# Altium PCB top_LM_v3.PcbDoc (part 2 of 6) (continued)
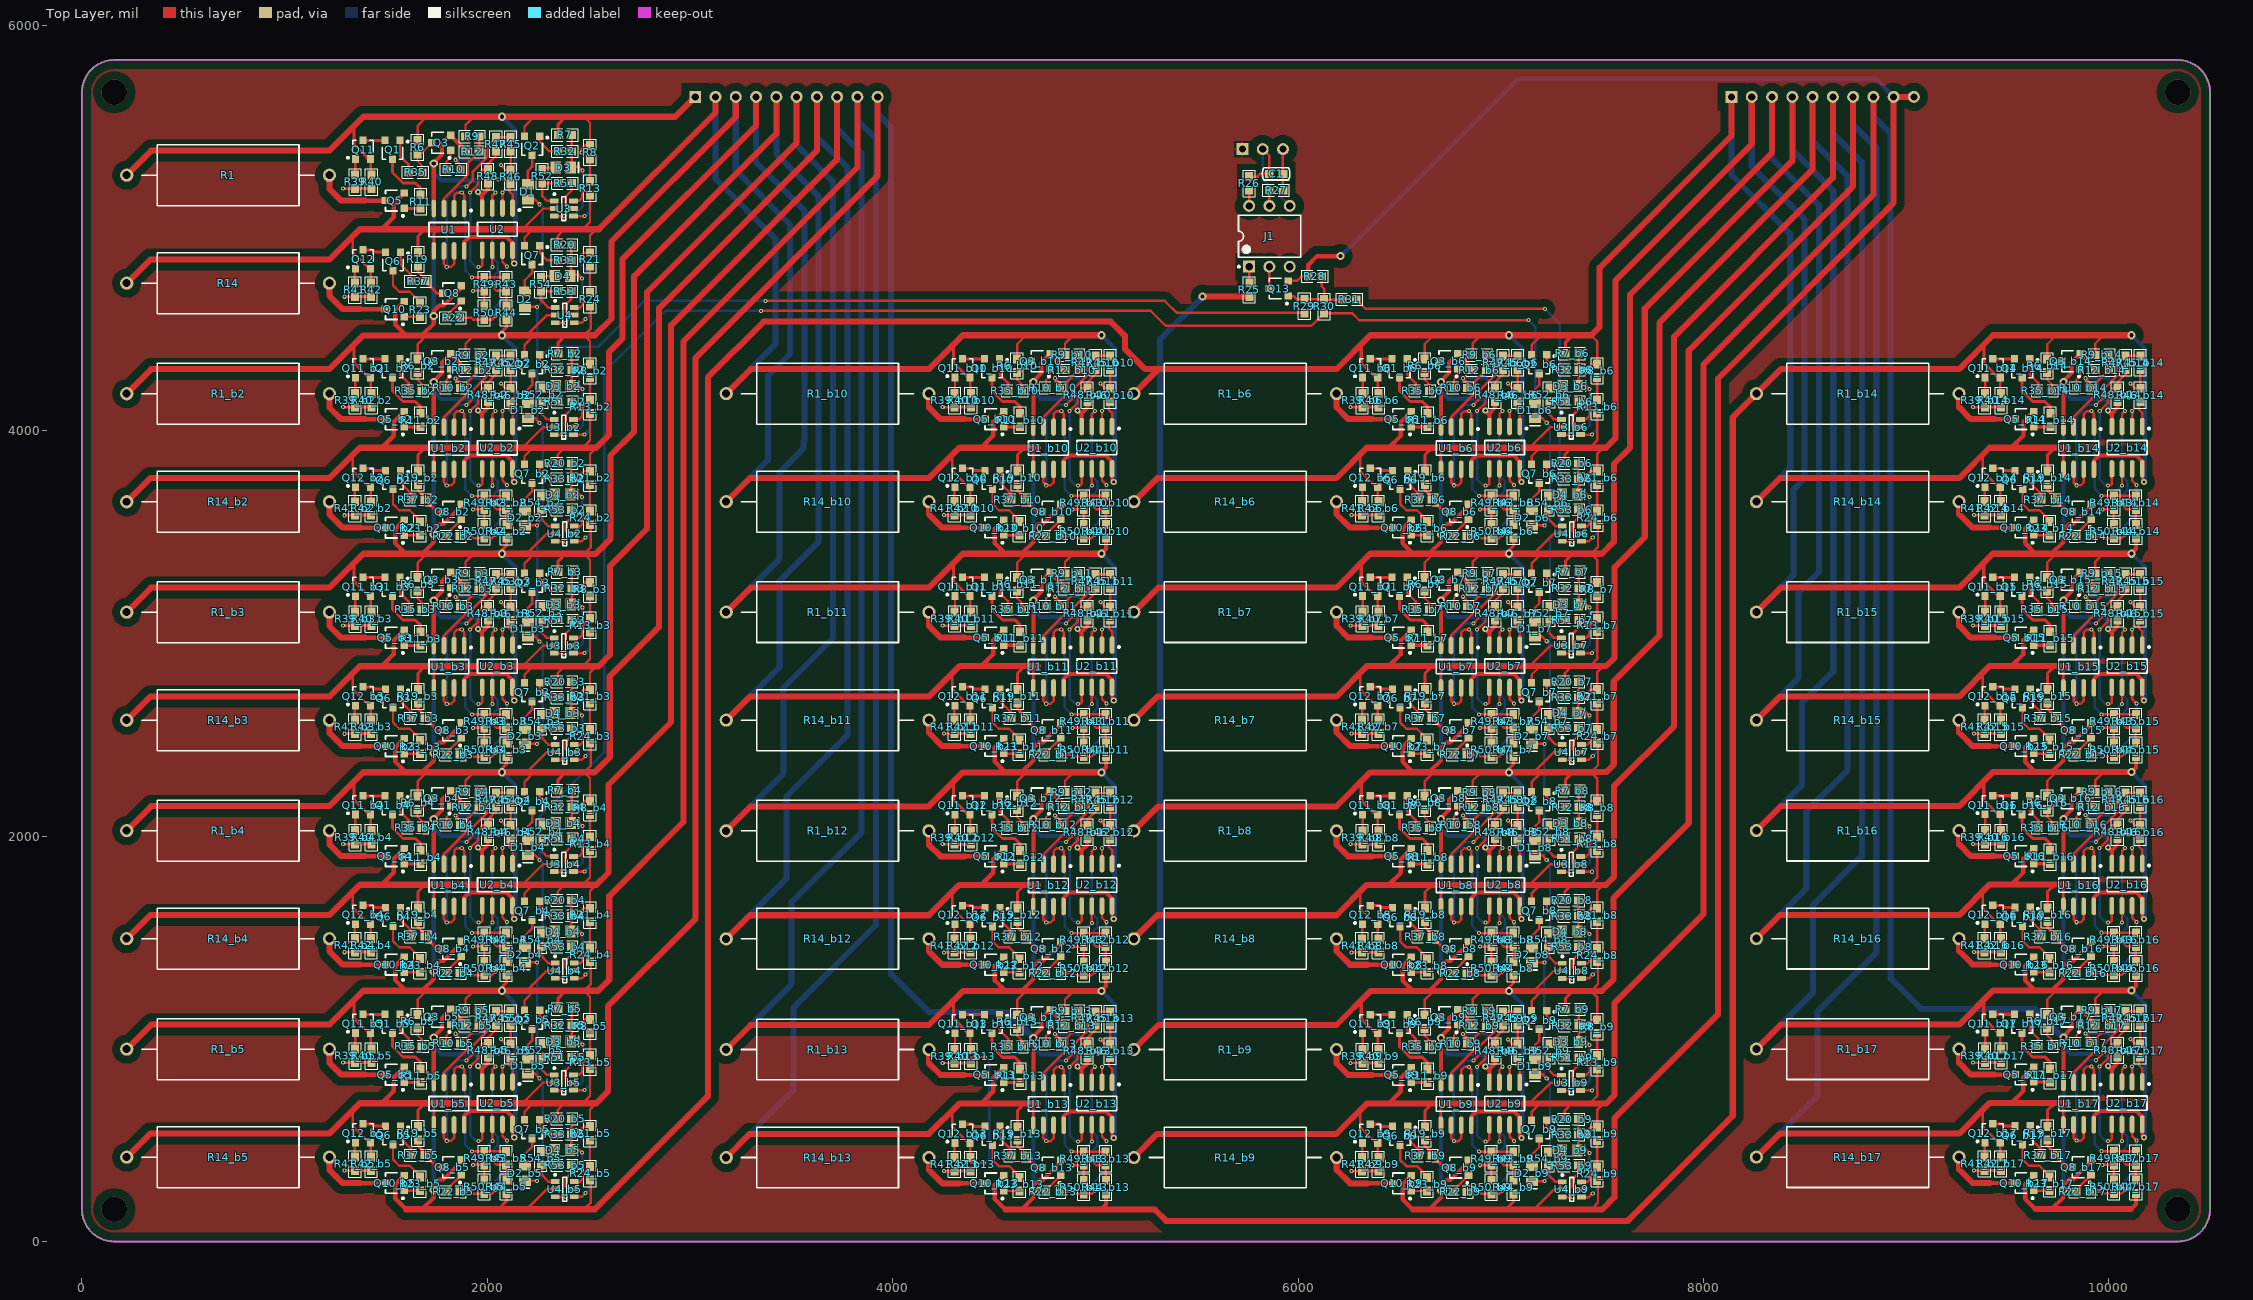
[diagram p0: Top Layer view]
## Footprints (in the part's own frame and the unit in brackets; to place one, negate y for a bottom-side part, rotate by r counter-clockwise, add the part's x,y. Pads: shape width x height; smd on the part's side, far side on the other; paste and mask are expansions set on the pad)
0603-1 [mm] "0603带丝印"
  rect 1.1x1 smd: 1(-0.85,0) 2(0.85,0)
  silkscreen extent -1.65,-0.76 1.65,0.76, body extent -0.8,-0.4 0.8,0.4, height 0.3
AXIAL-1.0 [mm] "Adjustable Magnetic-Core Inductor; 2 Leads"
  round 1.65 hole 1: 1(-12.7,0) 2(12.7,0)
  silkscreen extent -10.79,-3.81 10.79,3.81
C-0603 [mm] "贴片电容"
  rect 1.1x1 smd: 1(-0.85,0) 2(0.85,0)
  silkscreen extent -1.73,-0.76 1.73,0.76, body extent -0.8,-0.4 0.8,0.4, height 0.3
DIP-6 [mm]
  rect 1.5x1.5 hole 0.9: 1(-3.81,2.54)
  round 1.5 hole 0.9: 2(-3.81,0) 3(-3.81,-2.54) 4(3.81,-2.54) 5(3.81,0) 6(3.81,2.54)
  silkscreen extent -3.93,-3.94 2.65,3.96, body extent -3.6,-3.94 3.6,3.88, height 5.08
HDR3X1-2.54 [mm] "2.54单排针排座"
  rect 1.5x1.5 hole 0.9: 1(0,0)
  round 1.5 hole 0.9: 2(2.54,0) 3(5.08,0)
  silkscreen extent -1.27,-1.27 6.35,1.27, body extent -1.27,-1.27 6.35,1.27, height 8.54
HDR10X1-2.54 [mm]
  rect 1.5x1.5 hole 0.9: 1(-12.7,0)
  round 1.5 hole 0.9: 2(-10.16,0) 3(-7.62,0) 4(-5.08,0) 5(-2.54,0) 6(0,0) 7(2.54,0) 8(5.08,0) 9(7.62,0) 10(10.16,0)
  silkscreen extent -13.97,-1.27 11.43,1.27
LED-0805 [mm] "贴片LED"
  rect 1.3x1.5 smd: 1(-0.95,0) 2(0.95,0)
  silkscreen extent 1.91,-0.63 1.91,0.64
SOIC-8 [mm]
  oval 2.2x0.6 smd: 1(-2.654,1.905) 2(-2.654,0.635) 3(-2.654,-0.635) 4(-2.654,-1.905) 5(2.654,-1.905) 6(2.654,-0.635) 7(2.654,0.635) 8(2.654,1.905)
  silkscreen extent -2.52,-2.5 0.9,2.88, body extent -3,-2.45 3,2.45, height 1.7
SOT23-3 [mm]
  rect 0.9x0.95 smd: 1(-0.95,-1.175) 2(0.95,-1.175) 3(0,1.175)
  silkscreen extent -2.03,-1.14 1.3,1.18, body extent -1.45,-1.4 1.45,1.4, height 1.2
SOT23-6 [mm] "Max4173"
  rect 1.1x0.6 smd: 1(-1.2,0.95) 2(-1.2,0) 3(-1.2,-0.95) 4(1.2,-0.95) 5(1.2,0) 6(1.2,0.95)
  silkscreen extent -1.32,-1.5 0.25,1.92, body extent -1.19,-1.4 1.23,1.4, height 1.08

## Part data
C1: "贴片瓷片电容"
D1 D1_b2 D1_b3 D1_b4 D1_b5 D1_b6 D1_b7 D1_b8 D1_b9 D2 D2_b2 D2_b3 D2_b4 D2_b5 D2_b6 D2_b7 D2_b8 D2_b9 D3 D3_b2 D3_b3 D3_b4 D3_b5 D3_b6 D3_b7 D3_b8 D3_b9 D4 D4_b2 D4_b3 D4_b4 D4_b5 D4_b6 D4_b7 D4_b8 D4_b9: library part Diode-R, "整流二极管"
J1: "光电耦合器"
P1 P2 P5: "接插件"
Q1 Q1_b2 Q1_b3 Q1_b4 Q1_b5 Q1_b6 Q1_b7 Q1_b8 Q1_b9 Q1_b10 Q1_b11 Q1_b12 Q1_b13 Q1_b14 Q1_b15 Q1_b16 Q1_b17 Q2 Q2_b2 Q2_b3 Q2_b4 Q2_b5 Q2_b6 Q2_b7 Q2_b8 Q2_b9 Q6 Q6_b2 Q6_b3 Q6_b4 Q6_b5 Q6_b6 Q6_b7 Q6_b8 Q6_b9 Q6_b10 Q6_b11 Q6_b12 Q6_b13 Q6_b14 Q6_b15 Q6_b16 Q6_b17 Q7 Q7_b2 Q7_b3 Q7_b4 Q7_b5 Q7_b6 Q7_b7 Q7_b8 Q7_b9 Q11 Q11_b2 Q11_b3 Q11_b4 Q11_b5 Q11_b6 Q11_b7 Q11_b8 Q11_b9 Q11_b10 Q11_b11 Q11_b12 Q11_b13 Q11_b14 Q11_b15 Q11_b16 Q11_b17 Q12 Q12_b2 Q12_b3 Q12_b4 Q12_b5 Q12_b6 Q12_b7 Q12_b8 Q12_b9 Q12_b10 Q12_b11 Q12_b12 Q12_b13 Q12_b14 Q12_b15 Q12_b16 Q12_b17: library part PNP1, "贴片三极管"
Q3 Q3_b2 Q3_b3 Q3_b4 Q3_b5 Q3_b6 Q3_b7 Q3_b8 Q3_b9 Q3_b10 Q3_b11 Q3_b12 Q3_b13 Q3_b14 Q3_b15 Q3_b16 Q3_b17 Q8 Q8_b2 Q8_b3 Q8_b4 Q8_b5 Q8_b6 Q8_b7 Q8_b8 Q8_b9 Q8_b10 Q8_b11 Q8_b12 Q8_b13 Q8_b14 Q8_b15 Q8_b16 Q8_b17 Q13: library part NPN1, "贴片三极管"
Q5 Q5_b2 Q5_b3 Q5_b4 Q5_b5 Q5_b6 Q5_b7 Q5_b8 Q5_b9 Q5_b10 Q5_b11 Q5_b12 Q5_b13 Q5_b14 Q5_b15 Q5_b16 Q5_b17 Q10 Q10_b2 Q10_b3 Q10_b4 Q10_b5 Q10_b6 Q10_b7 Q10_b8 Q10_b9 Q10_b10 Q10_b11 Q10_b12 Q10_b13 Q10_b14 Q10_b15 Q10_b16 Q10_b17: library part MOSFET-N1, "MOSFET"
R1 R1_b2 R1_b3 R1_b4 R1_b5 R1_b6 R1_b7 R1_b8 R1_b9 R1_b10 R1_b11 R1_b12 R1_b13 R1_b14 R1_b15 R1_b16 R1_b17 R6 R6_b2 R6_b3 R6_b4 R6_b5 R6_b6 R6_b7 R6_b8 R6_b9 R6_b10 R6_b11 R6_b12 R6_b13 R6_b14 R6_b15 R6_b16 R6_b17 R7 R7_b2 R7_b3 R7_b4 R7_b5 R7_b6 R7_b7 R7_b8 R7_b9 R8 R8_b2 R8_b3 R8_b4 R8_b5 R8_b6 R8_b7 R8_b8 R8_b9 R9 R9_b2 R9_b3 R9_b4 R9_b5 R9_b6 R9_b7 R9_b8 R9_b9 R9_b10 R9_b11 R9_b12 R9_b13 R9_b14 R9_b15 R9_b16 R9_b17 R10 R10_b2 R10_b3 R10_b4 R10_b5 R10_b6 R10_b7 R10_b8 R10_b9 R10_b10 R10_b11 R10_b12 R10_b13 R10_b14 R10_b15 R10_b16 R10_b17 R11 R11_b2 R11_b3 R11_b4 R11_b5 R11_b6 R11_b7 R11_b8 R11_b9 R11_b10 R11_b11 R11_b12 R11_b13 R11_b14 R11_b15 R11_b16 R11_b17 R12 R12_b2 R12_b3 R12_b4 R12_b5 R12_b6 R12_b7 R12_b8 R12_b9 R12_b10 R12_b11 R12_b12 R12_b13 R12_b14 R12_b15 R12_b16 R12_b17 R13 R13_b2 R13_b3 R13_b4 R13_b5 R13_b6 R13_b7 R13_b8 R13_b9 R14 R14_b2 R14_b3 R14_b4 R14_b5 R14_b6 R14_b7 R14_b8 R14_b9 R14_b10 R14_b11 R14_b12 R14_b13 R14_b14 R14_b15 R14_b16 R14_b17 R19 R19_b2 R19_b3 R19_b4 R19_b5 R19_b6 R19_b7 R19_b8 R19_b9 R19_b10 R19_b11 R19_b12 R19_b13 R19_b14 R19_b15 R19_b16 R19_b17 R20 R20_b2 R20_b3 R20_b4 R20_b5 R20_b6 R20_b7 R20_b8 R20_b9 R21 R21_b2 R21_b3 R21_b4 R21_b5 R21_b6 R21_b7 R21_b8 R21_b9 R22 R22_b2 R22_b3 R22_b4 R22_b5 R22_b6 R22_b7 R22_b8 R22_b9 R22_b10 R22_b11 R22_b12 R22_b13 R22_b14 R22_b15 R22_b16 R22_b17 R23 R23_b2 R23_b3 R23_b4 R23_b5 R23_b6 R23_b7 R23_b8 R23_b9 R23_b10 R23_b11 R23_b12 R23_b13 R23_b14 R23_b15 R23_b16 R23_b17 R24 R24_b2 R24_b3 R24_b4 R24_b5 R24_b6 R24_b7 R24_b8 R24_b9 R25 R26 R27 R28 R29 R30 R31 R32 R32_b2 R32_b3 R32_b4 R32_b5 R32_b6 R32_b7 R32_b8 R32_b9 R33 R33_b2 R33_b3 R33_b4 R33_b5 R33_b6 R33_b7 R33_b8 R33_b9 R35 R35_b2 R35_b3 R35_b4 R35_b5 R35_b6 R35_b7 R35_b8 R35_b9 R35_b10 R35_b11 R35_b12 R35_b13 R35_b14 R35_b15 R35_b16 R35_b17 R37 R37_b2 R37_b3 R37_b4 R37_b5 R37_b6 R37_b7 R37_b8 R37_b9 R37_b10 R37_b11 R37_b12 R37_b13 R37_b14 R37_b15 R37_b16 R37_b17 R39 R39_b2 R39_b3 R39_b4 R39_b5 R39_b6 R39_b7 R39_b8 R39_b9 R39_b10 R39_b11 R39_b12 R39_b13 R39_b14 R39_b15 R39_b16 R39_b17 R40 R40_b2 R40_b3 R40_b4 R40_b5 R40_b6 R40_b7 R40_b8 R40_b9 R40_b10 R40_b11 R40_b12 R40_b13 R40_b14 R40_b15 R40_b16 R40_b17 R41 R41_b2 R41_b3 R41_b4 R41_b5 R41_b6 R41_b7 R41_b8 R41_b9 R41_b10 R41_b11 R41_b12 R41_b13 R41_b14 R41_b15 R41_b16 R41_b17 R42 R42_b2 R42_b3 R42_b4 R42_b5 R42_b6 R42_b7 R42_b8 R42_b9 R42_b10 R42_b11 R42_b12 R42_b13 R42_b14 R42_b15 R42_b16 R42_b17 R43 R43_b2 R43_b3 R43_b4 R43_b5 R43_b6 R43_b7 R43_b8 R43_b9 R43_b10 R43_b11 R43_b12 R43_b13 R43_b14 R43_b15 R43_b16 R43_b17 R44 R44_b2 R44_b3 R44_b4 R44_b5 R44_b6 R44_b7 R44_b8 R44_b9 R44_b10 R44_b11 R44_b12 R44_b13 R44_b14 R44_b15 R44_b16 R44_b17 R45 R45_b2 R45_b3 R45_b4 R45_b5 R45_b6 R45_b7 R45_b8 R45_b9 R45_b10 R45_b11 R45_b12 R45_b13 R45_b14 R45_b15 R45_b16 R45_b17 R46 R46_b2 R46_b3 R46_b4 R46_b5 R46_b6 R46_b7 R46_b8 R46_b9 R46_b10 R46_b11 R46_b12 R46_b13 R46_b14 R46_b15 R46_b16 R46_b17 R47 R47_b2 R47_b3 R47_b4 R47_b5 R47_b6 R47_b7 R47_b8 R47_b9 R47_b10 R47_b11 R47_b12 R47_b13 R47_b14 R47_b15 R47_b16 R47_b17 R48 R48_b2 R48_b3 R48_b4 R48_b5 R48_b6 R48_b7 R48_b8 R48_b9 R48_b10 R48_b11 R48_b12 R48_b13 R48_b14 R48_b15 R48_b16 R48_b17 R49 R49_b2 R49_b3 R49_b4 R49_b5 R49_b6 R49_b7 R49_b8 R49_b9 R49_b10 R49_b11 R49_b12 R49_b13 R49_b14 R49_b15 R49_b16 R49_b17 R50 R50_b2 R50_b3 R50_b4 R50_b5 R50_b6 R50_b7 R50_b8 R50_b9 R50_b10 R50_b11 R50_b12 R50_b13 R50_b14 R50_b15 R50_b16 R50_b17 R51 R51_b2 R51_b3 R51_b4 R51_b5 R51_b6 R51_b7 R51_b8 R51_b9 R52 R52_b2 R52_b3 R52_b4 R52_b5 R52_b6 R52_b7 R52_b8 R52_b9 R53 R53_b2 R53_b3 R53_b4 R53_b5 R53_b6 R53_b7 R53_b8 R53_b9 R54 R54_b2 R54_b3 R54_b4 R54_b5 R54_b6 R54_b7 R54_b8 R54_b9: "贴片电阻"
U1 U1_b2 U1_b3 U1_b4 U1_b5 U1_b6 U1_b7 U1_b8 U1_b9 U1_b10 U1_b11 U1_b12 U1_b13 U1_b14 U1_b15 U1_b16 U1_b17 U2 U2_b2 U2_b3 U2_b4 U2_b5 U2_b6 U2_b7 U2_b8 U2_b9 U2_b10 U2_b11 U2_b12 U2_b13 U2_b14 U2_b15 U2_b16 U2_b17: "双运放"
U3 U3_b2 U3_b3 U3_b4 U3_b5 U3_b6 U3_b7 U3_b8 U3_b9 U4 U4_b2 U4_b3 U4_b4 U4_b5 U4_b6 U4_b7 U4_b8 U4_b9: "单运放带基准电压源"

## Via types
v1: diameter 20, hole 10, Top Layer to Bottom Layer, 402 vias
v2: diameter 40, hole 20, Top Layer to Bottom Layer, 53 vias
v3: diameter 30, hole 15, Top Layer to Bottom Layer, 34 vias
v4: diameter 125.98, hole 125.98, Top Layer to Bottom Layer, 4 vias

## Nets (pads, with @x,y where several pads share a name; then routed paths per layer and width w, separated by ;. In a path a pad name is that pad's centre, name@x,y a point inside that pad or via, vN(x,y) a via of type N, cw(c..) or ccw(c..) an arc to the next point about the centre after c; other vN are vias at no path point)
ALARM: C1.1 P5.3 R27.2 | length 202.5
  Top Layer w12: R27.2@5925.46,5187 C1.1@5925.46,5268 P5.3@5925.46,5389.46
C-: C1.2 J1.4 P5.2 R26.2 | length 575.7
  Top Layer w12: R26.2@5759,5254.46 5800.46,5254.46 5814,5268 C1.2@5858.54,5268 5858.54,5357.46 P5.2@5826,5390
  Bottom Layer w12: P5.2@5826,5390 5826,5243 J1.4@5959,5110
G1_VC1_BUF: R43.1 R49.1 U1.1 U1.2 | length 798.4
  Top Layer w12: U1.2@1835.82,5097.07 1835.82,5160.58 1850.82,5175.58 v1(1873.82,5175.58) 1885.82,5163.58 U1.1@1885.82,5097.07 ; v1@1924.36,4757.05 R49.1@1984.82,4757.05 R43.1@2092.82,4757.05
  Bottom Layer w12: v1(1873.82,5175.58) 1890.82,5158.58 1890.82,4790.58 v1(1923.82,4757.58)
G1_VC1_BUF_b2: R43_b2.1 R49_b2.1 U1_b2.1 U1_b2.2 | length 798.4
  Top Layer w12: U1_b2.2@1835.82,4018.75 1835.82,4082.26 1850.82,4097.26 v1(1873.82,4097.26) 1885.82,4085.26 U1_b2.1@1885.82,4018.75 ; v1@1924.36,3678.72 R49_b2.1@1984.82,3678.72 R43_b2.1@2092.82,3678.72
  Bottom Layer w12: v1(1873.82,4097.26) 1890.82,4080.26 1890.82,3712.26 v1(1923.82,3679.26)
G1_VC1_BUF_b3: R43_b3.1 R49_b3.1 U1_b3.1 U1_b3.2 | length 798.4
  Top Layer w12: U1_b3.2@1835.82,2940.75 1835.82,3004.26 1850.82,3019.26 v1(1873.82,3019.26) 1885.82,3007.26 U1_b3.1@1885.82,2940.75 ; v1@1924.36,2600.72 R49_b3.1@1984.82,2600.72 R43_b3.1@2092.82,2600.72
  Bottom Layer w12: v1(1873.82,3019.26) 1890.82,3002.26 1890.82,2634.26 v1(1923.82,2601.26)
G1_VC1_BUF_b4: R43_b4.1 R49_b4.1 U1_b4.1 U1_b4.2 | length 798.4
  Top Layer w12: U1_b4.2@1835.82,1862.75 1835.82,1926.26 1850.82,1941.26 v1(1873.82,1941.26) 1885.82,1929.26 U1_b4.1@1885.82,1862.75 ; v1@1924.36,1522.72 R49_b4.1@1984.82,1522.72 R43_b4.1@2092.82,1522.72
  Bottom Layer w12: v1(1873.82,1941.26) 1890.82,1924.26 1890.82,1556.26 v1(1923.82,1523.26)
G1_VC1_BUF_b5: R43_b5.1 R49_b5.1 U1_b5.1 U1_b5.2 | length 798.4
  Top Layer w12: U1_b5.2@1835.82,784.75 1835.82,848.26 1850.82,863.26 v1(1873.82,863.26) 1885.82,851.26 U1_b5.1@1885.82,784.75 ; v1@1924.36,444.72 R49_b5.1@1984.82,444.72 R43_b5.1@2092.82,444.72
  Bottom Layer w12: v1(1873.82,863.26) 1890.82,846.26 1890.82,478.26 v1(1923.82,445.26)
G1_VC1_BUF_b6: R43_b6.1 R49_b6.1 U1_b6.1 U1_b6.2 | length 798.4
  Top Layer w12: U1_b6.2@6805.08,4019.07 6805.08,4082.58 6820.08,4097.58 v1(6843.08,4097.58) 6855.08,4085.58 U1_b6.1@6855.08,4019.07 ; v1@6893.61,3679.05 R49_b6.1@6954.08,3679.05 R43_b6.1@7062.08,3679.05
  Bottom Layer w12: v1(6843.08,4097.58) 6860.08,4080.58 6860.08,3712.58 v1(6893.08,3679.58)
G1_VC1_BUF_b7: R43_b7.1 R49_b7.1 U1_b7.1 U1_b7.2 | length 798.4
  Top Layer w12: U1_b7.2@6805.08,2941.07 6805.08,3004.58 6820.08,3019.58 v1(6843.08,3019.58) 6855.08,3007.58 U1_b7.1@6855.08,2941.07 ; v1@6893.61,2601.05 R49_b7.1@6954.08,2601.05 R43_b7.1@7062.08,2601.05
  Bottom Layer w12: v1(6843.08,3019.58) 6860.08,3002.58 6860.08,2634.58 v1(6893.08,2601.58)
G1_VC1_BUF_b8: R43_b8.1 R49_b8.1 U1_b8.1 U1_b8.2 | length 798.4
  Top Layer w12: U1_b8.2@6805.08,1862.07 6805.08,1925.58 6820.08,1940.58 v1(6843.08,1940.58) 6855.08,1928.58 U1_b8.1@6855.08,1862.07 ; v1@6893.61,1522.05 R49_b8.1@6954.08,1522.05 R43_b8.1@7062.08,1522.05
  Bottom Layer w12: v1(6843.08,1940.58) 6860.08,1923.58 6860.08,1555.58 v1(6893.08,1522.58)
G1_VC1_BUF_b9: R43_b9.1 R49_b9.1 U1_b9.1 U1_b9.2 | length 798.4
  Top Layer w12: U1_b9.2@6805.08,783.07 6805.08,846.58 6820.08,861.58 v1(6843.08,861.58) 6855.08,849.58 U1_b9.1@6855.08,783.07 ; v1@6893.61,443.05 R49_b9.1@6954.08,443.05 R43_b9.1@7062.08,443.05
  Bottom Layer w12: v1(6843.08,861.58) 6860.08,844.58 6860.08,476.58 v1(6893.08,443.58)
G1_VC1_BUF_b10: R43_b10.1 R49_b10.1 U1_b10.1 U1_b10.2 | length 798.4
  Top Layer w12: U1_b10.2@4793.82,4019.07 4793.82,4082.58 4808.82,4097.58 v1(4831.82,4097.58) 4843.82,4085.58 U1_b10.1@4843.82,4019.07 ; v1@4882.36,3679.05 R49_b10.1@4942.82,3679.05 R43_b10.1@5050.82,3679.05
  Bottom Layer w12: v1(4831.82,4097.58) 4848.82,4080.58 4848.82,3712.58 v1(4881.82,3679.58)
G1_VC1_BUF_b11: R43_b11.1 R49_b11.1 U1_b11.1 U1_b11.2 | length 798.4
  Top Layer w12: U1_b11.2@4793.82,2941.07 4793.82,3004.58 4808.82,3019.58 v1(4831.82,3019.58) 4843.82,3007.58 U1_b11.1@4843.82,2941.07 ; v1@4882.36,2601.05 R49_b11.1@4942.82,2601.05 R43_b11.1@5050.82,2601.05
  Bottom Layer w12: v1(4831.82,3019.58) 4848.82,3002.58 4848.82,2634.58 v1(4881.82,2601.58)
G1_VC1_BUF_b12: R43_b12.1 R49_b12.1 U1_b12.1 U1_b12.2 | length 798.4
  Top Layer w12: U1_b12.2@4793.82,1862.07 4793.82,1925.58 4808.82,1940.58 v1(4831.82,1940.58) 4843.82,1928.58 U1_b12.1@4843.82,1862.07 ; v1@4882.36,1522.05 R49_b12.1@4942.82,1522.05 R43_b12.1@5050.82,1522.05
  Bottom Layer w12: v1(4831.82,1940.58) 4848.82,1923.58 4848.82,1555.58 v1(4881.82,1522.58)
G1_VC1_BUF_b13: R43_b13.1 R49_b13.1 U1_b13.1 U1_b13.2 | length 798.4
  Top Layer w12: U1_b13.2@4793.82,783.07 4793.82,846.58 4808.82,861.58 v1(4831.82,861.58) 4843.82,849.58 U1_b13.1@4843.82,783.07 ; v1@4882.36,443.05 R49_b13.1@4942.82,443.05 R43_b13.1@5050.82,443.05
  Bottom Layer w12: v1(4831.82,861.58) 4848.82,844.58 4848.82,476.58 v1(4881.82,443.58)
G1_VC1_BUF_b14: R43_b14.1 R49_b14.1 U1_b14.1 U1_b14.2 | length 798.4
  Top Layer w12: U1_b14.2@9876.82,4019.07 9876.82,4082.58 9891.82,4097.58 v1(9914.82,4097.58) 9926.82,4085.58 U1_b14.1@9926.82,4019.07 ; v1@9965.36,3679.05 R49_b14.1@10025.82,3679.05 R43_b14.1@10133.82,3679.05
  Bottom Layer w12: v1(9914.82,4097.58) 9931.82,4080.58 9931.82,3712.58 v1(9964.82,3679.58)
G1_VC1_BUF_b15: R43_b15.1 R49_b15.1 U1_b15.1 U1_b15.2 | length 798.4
  Top Layer w12: U1_b15.2@9876.57,2941.07 9876.57,3004.58 9891.57,3019.58 v1(9914.57,3019.58) 9926.57,3007.58 U1_b15.1@9926.57,2941.07 ; v1@9965.11,2601.05 R49_b15.1@10025.57,2601.05 R43_b15.1@10133.57,2601.05
  Bottom Layer w12: v1(9914.57,3019.58) 9931.57,3002.58 9931.57,2634.58 v1(9964.57,2601.58)
G1_VC1_BUF_b16: R43_b16.1 R49_b16.1 U1_b16.1 U1_b16.2 | length 798.4
  Top Layer w12: U1_b16.2@9876.57,1863.07 9876.57,1926.58 9891.57,1941.58 v1(9914.57,1941.58) 9926.57,1929.58 U1_b16.1@9926.57,1863.07 ; v1@9965.11,1523.05 R49_b16.1@10025.57,1523.05 R43_b16.1@10133.57,1523.05
  Bottom Layer w12: v1(9914.57,1941.58) 9931.57,1924.58 9931.57,1556.58 v1(9964.57,1523.58)
G1_VC1_BUF_b17: R43_b17.1 R49_b17.1 U1_b17.1 U1_b17.2 | length 798.4
  Top Layer w12: U1_b17.2@9876.57,785.07 9876.57,848.58 9891.57,863.58 v1(9914.57,863.58) 9926.57,851.58 U1_b17.1@9926.57,785.07 ; v1@9965.11,445.05 R49_b17.1@10025.57,445.05 R43_b17.1@10133.57,445.05
  Bottom Layer w12: v1(9914.57,863.58) 9931.57,846.58 9931.57,478.58 v1(9964.57,445.58)
G1_VC1_DISCH: R10.2 R46.2 U2.1 | length 497.4
  Top Layer w12: v1(1843.82,5337.58) 1866.29,5315.12 R10.2@1866.29,5290.58 ; v1(2055.82,5240.58) 2088.36,5240.58 2107.82,5221.12 2107.82,5183.58 2124.82,5166.58 U2.1@2124.82,5099.34
  Bottom Layer w12: v1(1843.82,5337.58) 1958.82,5337.58 v1(2055.82,5240.58)
G1_VC1_DISCH_b2: R10_b2.2 R46_b2.2 U2_b2.1 | length 497.4
  Top Layer w12: v1(1843.82,4259.26) 1866.29,4236.8 R10_b2.2@1866.29,4212.26 ; v1(2055.82,4162.26) 2088.36,4162.26 2107.82,4142.8 2107.82,4105.26 2124.82,4088.26 U2_b2.1@2124.82,4021.02
  Bottom Layer w12: v1(1843.82,4259.26) 1958.82,4259.26 v1(2055.82,4162.26)
G1_VC1_DISCH_b3: R10_b3.2 R46_b3.2 U2_b3.1 | length 497.4
  Top Layer w12: v1(1843.82,3181.26) 1866.29,3158.8 R10_b3.2@1866.29,3134.26 ; v1(2055.82,3084.26) 2088.36,3084.26 2107.82,3064.8 2107.82,3027.26 2124.82,3010.26 U2_b3.1@2124.82,2943.02
  Bottom Layer w12: v1(1843.82,3181.26) 1958.82,3181.26 v1(2055.82,3084.26)
G1_VC1_DISCH_b4: R10_b4.2 R46_b4.2 U2_b4.1 | length 497.4
  Top Layer w12: v1(1843.82,2103.26) 1866.29,2080.8 R10_b4.2@1866.29,2056.26 ; v1(2055.82,2006.26) 2088.36,2006.26 2107.82,1986.8 2107.82,1949.26 2124.82,1932.26 U2_b4.1@2124.82,1865.02
  Bottom Layer w12: v1(1843.82,2103.26) 1958.82,2103.26 v1(2055.82,2006.26)
G1_VC1_DISCH_b5: R10_b5.2 R46_b5.2 U2_b5.1 | length 497.4
  Top Layer w12: v1(1843.82,1025.26) 1866.29,1002.8 R10_b5.2@1866.29,978.26 ; v1(2055.82,928.26) 2088.36,928.26 2107.82,908.8 2107.82,871.26 2124.82,854.26 U2_b5.1@2124.82,787.02
  Bottom Layer w12: v1(1843.82,1025.26) 1958.82,1025.26 v1(2055.82,928.26)
G1_VC1_DISCH_b6: R10_b6.2 R46_b6.2 U2_b6.1 | length 497.4
  Top Layer w12: v1(6813.08,4259.58) 6835.54,4237.12 R10_b6.2@6835.54,4212.58 ; v1(7025.08,4162.58) 7057.61,4162.58 7077.08,4143.12 7077.08,4105.58 7094.08,4088.58 U2_b6.1@7094.08,4021.34
  Bottom Layer w12: v1(6813.08,4259.58) 6928.08,4259.58 v1(7025.08,4162.58)
G1_VC1_DISCH_b7: R10_b7.2 R46_b7.2 U2_b7.1 | length 497.4
  Top Layer w12: v1(6813.08,3181.58) 6835.54,3159.12 R10_b7.2@6835.54,3134.58 ; v1(7025.08,3084.58) 7057.61,3084.58 7077.08,3065.12 7077.08,3027.58 7094.08,3010.58 U2_b7.1@7094.08,2943.34
  Bottom Layer w12: v1(6813.08,3181.58) 6928.08,3181.58 v1(7025.08,3084.58)
G1_VC1_DISCH_b8: R10_b8.2 R46_b8.2 U2_b8.1 | length 497.4
  Top Layer w12: v1(6813.08,2102.58) 6835.54,2080.12 R10_b8.2@6835.54,2055.58 ; v1(7025.08,2005.58) 7057.61,2005.58 7077.08,1986.12 7077.08,1948.58 7094.08,1931.58 U2_b8.1@7094.08,1864.34
  Bottom Layer w12: v1(6813.08,2102.58) 6928.08,2102.58 v1(7025.08,2005.58)
G1_VC1_DISCH_b9: R10_b9.2 R46_b9.2 U2_b9.1 | length 497.4
  Top Layer w12: v1(6813.08,1023.58) 6835.54,1001.12 R10_b9.2@6835.54,976.58 ; v1(7025.08,926.58) 7057.61,926.58 7077.08,907.12 7077.08,869.58 7094.08,852.58 U2_b9.1@7094.08,785.34
  Bottom Layer w12: v1(6813.08,1023.58) 6928.08,1023.58 v1(7025.08,926.58)
G1_VC1_DISCH_b10: R10_b10.2 R46_b10.2 U2_b10.1 | length 497.4
  Top Layer w12: v1(4801.82,4259.58) 4824.29,4237.12 R10_b10.2@4824.29,4212.58 ; v1(5013.82,4162.58) 5046.36,4162.58 5065.82,4143.12 5065.82,4105.58 5082.82,4088.58 U2_b10.1@5082.82,4021.34
  Bottom Layer w12: v1(4801.82,4259.58) 4916.82,4259.58 v1(5013.82,4162.58)
G1_VC1_DISCH_b11: R10_b11.2 R46_b11.2 U2_b11.1 | length 497.4
  Top Layer w12: v1(4801.82,3181.58) 4824.29,3159.12 R10_b11.2@4824.29,3134.58 ; v1(5013.82,3084.58) 5046.36,3084.58 5065.82,3065.12 5065.82,3027.58 5082.82,3010.58 U2_b11.1@5082.82,2943.34
  Bottom Layer w12: v1(4801.82,3181.58) 4916.82,3181.58 v1(5013.82,3084.58)
G1_VC1_DISCH_b12: R10_b12.2 R46_b12.2 U2_b12.1 | length 497.4
  Top Layer w12: v1(4801.82,2102.58) 4824.29,2080.12 R10_b12.2@4824.29,2055.58 ; v1(5013.82,2005.58) 5046.36,2005.58 5065.82,1986.12 5065.82,1948.58 5082.82,1931.58 U2_b12.1@5082.82,1864.34
  Bottom Layer w12: v1(4801.82,2102.58) 4916.82,2102.58 v1(5013.82,2005.58)
G1_VC1_DISCH_b13: R10_b13.2 R46_b13.2 U2_b13.1 | length 497.4
  Top Layer w12: v1(4801.82,1023.58) 4824.29,1001.12 R10_b13.2@4824.29,976.58 ; v1(5013.82,926.58) 5046.36,926.58 5065.82,907.12 5065.82,869.58 5082.82,852.58 U2_b13.1@5082.82,785.34
  Bottom Layer w12: v1(4801.82,1023.58) 4916.82,1023.58 v1(5013.82,926.58)
G1_VC1_DISCH_b14: R10_b14.2 R46_b14.2 U2_b14.1 | length 497.4
  Top Layer w12: v1(9884.82,4259.58) 9907.29,4237.12 R10_b14.2@9907.29,4212.58 ; v1(10096.82,4162.58) 10129.36,4162.58 10148.82,4143.12 10148.82,4105.58 10165.82,4088.58 U2_b14.1@10165.82,4021.34
  Bottom Layer w12: v1(9884.82,4259.58) 9999.82,4259.58 v1(10096.82,4162.58)
G1_VC1_DISCH_b15: R10_b15.2 R46_b15.2 U2_b15.1 | length 497.4
  Top Layer w12: v1(9884.57,3181.58) 9907.04,3159.12 R10_b15.2@9907.04,3134.58 ; v1(10096.57,3084.58) 10129.11,3084.58 10148.57,3065.12 10148.57,3027.58 10165.57,3010.58 U2_b15.1@10165.57,2943.34
  Bottom Layer w12: v1(9884.57,3181.58) 9999.57,3181.58 v1(10096.57,3084.58)
G1_VC1_DISCH_b16: R10_b16.2 R46_b16.2 U2_b16.1 | length 497.4
  Top Layer w12: v1(9884.57,2103.58) 9907.04,2081.12 R10_b16.2@9907.04,2056.58 ; v1(10096.57,2006.58) 10129.11,2006.58 10148.57,1987.12 10148.57,1949.58 10165.57,1932.58 U2_b16.1@10165.57,1865.34
  Bottom Layer w12: v1(9884.57,2103.58) 9999.57,2103.58 v1(10096.57,2006.58)
G1_VC1_DISCH_b17: R10_b17.2 R46_b17.2 U2_b17.1 | length 497.4
  Top Layer w12: v1(9884.57,1025.58) 9907.04,1003.12 R10_b17.2@9907.04,978.58 ; v1(10096.57,928.58) 10129.11,928.58 10148.57,909.12 10148.57,871.58 10165.57,854.58 U2_b17.1@10165.57,787.34
  Bottom Layer w12: v1(9884.57,1025.58) 9999.57,1025.58 v1(10096.57,928.58)
G1_VC1_VOL: R9.1 R12.2 U1.3 | length 427.4
  Top Layer w12: U1.3@1785.82,5097.07 1785.82,5146.15 1903.94,5264.27 1903.94,5322.23 R12.2@1959.29,5377.58 R9.1@1959.29,5452.58
G1_VC1_VOL_b2: R9_b2.1 R12_b2.2 U1_b2.3 | length 427.4
  Top Layer w12: U1_b2.3@1785.82,4018.75 1785.82,4067.83 1903.94,4185.95 1903.94,4243.91 R12_b2.2@1959.29,4299.26 R9_b2.1@1959.29,4374.26
G1_VC1_VOL_b3: R9_b3.1 R12_b3.2 U1_b3.3 | length 427.4
  Top Layer w12: U1_b3.3@1785.82,2940.75 1785.82,2989.83 1903.94,3107.95 1903.94,3165.91 R12_b3.2@1959.29,3221.26 R9_b3.1@1959.29,3296.26
G1_VC1_VOL_b4: R9_b4.1 R12_b4.2 U1_b4.3 | length 427.4
  Top Layer w12: U1_b4.3@1785.82,1862.75 1785.82,1911.83 1903.94,2029.95 1903.94,2087.91 R12_b4.2@1959.29,2143.26 R9_b4.1@1959.29,2218.26
G1_VC1_VOL_b5: R9_b5.1 R12_b5.2 U1_b5.3 | length 427.4
  Top Layer w12: U1_b5.3@1785.82,784.75 1785.82,833.83 1903.94,951.95 1903.94,1009.91 R12_b5.2@1959.29,1065.26 R9_b5.1@1959.29,1140.26
G1_VC1_VOL_b6: R9_b6.1 R12_b6.2 U1_b6.3 | length 427.4
  Top Layer w12: U1_b6.3@6755.08,4019.07 6755.08,4068.15 6873.19,4186.27 6873.19,4244.23 R12_b6.2@6928.54,4299.58 R9_b6.1@6928.54,4374.58
G1_VC1_VOL_b7: R9_b7.1 R12_b7.2 U1_b7.3 | length 427.4
  Top Layer w12: U1_b7.3@6755.08,2941.07 6755.08,2990.15 6873.19,3108.27 6873.19,3166.23 R12_b7.2@6928.54,3221.58 R9_b7.1@6928.54,3296.58
G1_VC1_VOL_b8: R9_b8.1 R12_b8.2 U1_b8.3 | length 427.4
  Top Layer w12: U1_b8.3@6755.08,1862.07 6755.08,1911.15 6873.19,2029.27 6873.19,2087.23 R12_b8.2@6928.54,2142.58 R9_b8.1@6928.54,2217.58
G1_VC1_VOL_b9: R9_b9.1 R12_b9.2 U1_b9.3 | length 427.4
  Top Layer w12: U1_b9.3@6755.08,783.07 6755.08,832.15 6873.19,950.27 6873.19,1008.23 R12_b9.2@6928.54,1063.58 R9_b9.1@6928.54,1138.58
G1_VC1_VOL_b10: R9_b10.1 R12_b10.2 U1_b10.3 | length 427.4
  Top Layer w12: U1_b10.3@4743.82,4019.07 4743.82,4068.15 4861.94,4186.27 4861.94,4244.23 R12_b10.2@4917.29,4299.58 R9_b10.1@4917.29,4374.58
G1_VC1_VOL_b11: R9_b11.1 R12_b11.2 U1_b11.3 | length 427.4
  Top Layer w12: U1_b11.3@4743.82,2941.07 4743.82,2990.15 4861.94,3108.27 4861.94,3166.23 R12_b11.2@4917.29,3221.58 R9_b11.1@4917.29,3296.58
G1_VC1_VOL_b12: R9_b12.1 R12_b12.2 U1_b12.3 | length 427.4
  Top Layer w12: U1_b12.3@4743.82,1862.07 4743.82,1911.15 4861.94,2029.27 4861.94,2087.23 R12_b12.2@4917.29,2142.58 R9_b12.1@4917.29,2217.58
G1_VC1_VOL_b13: R9_b13.1 R12_b13.2 U1_b13.3 | length 427.4
  Top Layer w12: U1_b13.3@4743.82,783.07 4743.82,832.15 4861.94,950.27 4861.94,1008.23 R12_b13.2@4917.29,1063.58 R9_b13.1@4917.29,1138.58
G1_VC1_VOL_b14: R9_b14.1 R12_b14.2 U1_b14.3 | length 427.4
  Top Layer w12: U1_b14.3@9826.82,4019.07 9826.82,4068.15 9944.94,4186.27 9944.94,4244.23 R12_b14.2@10000.29,4299.58 R9_b14.1@10000.29,4374.58
G1_VC1_VOL_b15: R9_b15.1 R12_b15.2 U1_b15.3 | length 427.4
  Top Layer w12: U1_b15.3@9826.57,2941.07 9826.57,2990.15 9944.69,3108.27 9944.69,3166.23 R12_b15.2@10000.04,3221.58 R9_b15.1@10000.04,3296.58
G1_VC1_VOL_b16: R9_b16.1 R12_b16.2 U1_b16.3 | length 427.4
  Top Layer w12: U1_b16.3@9826.57,1863.07 9826.57,1912.15 9944.69,2030.27 9944.69,2088.23 R12_b16.2@10000.04,2143.58 R9_b16.1@10000.04,2218.58
G1_VC1_VOL_b17: R9_b17.1 R12_b17.2 U1_b17.3 | length 427.4
  Top Layer w12: U1_b17.3@9826.57,785.07 9826.57,834.15 9944.69,952.27 9944.69,1010.23 R12_b17.2@10000.04,1065.58 R9_b17.1@10000.04,1140.58
G1_VC2_BUF: R45.1 R47.1 U1.6 U1.7 | length 1025.4
  Top Layer w12: U1.6@1785.82,4888.09 1785.82,4823.58 v1(1799.82,4809.58) 1821.82,4809.58 1835.82,4823.58 U1.7@1835.82,4888.09 ; v1(1896.82,5206.58) 1928.82,5238.58 1928.82,5279.01 1976.51,5326.7 1976.94,5326.7 2000.82,5350.58 2000.82,5406.05 R47.1@2042.82,5448.05 R45.1@2114.82,5448.05
  Bottom Layer w12: v1(1799.82,4809.58) 1799.82,5149.58 1856.82,5206.58 v1(1896.82,5206.58)
G1_VC2_BUF_b2: R45_b2.1 R47_b2.1 U1_b2.6 U1_b2.7 | length 1025.4
  Top Layer w12: U1_b2.6@1785.82,3809.77 1785.82,3745.26 v1(1799.82,3731.26) 1821.82,3731.26 1835.82,3745.26 U1_b2.7@1835.82,3809.77 ; v1(1896.82,4128.26) 1928.82,4160.26 1928.82,4200.69 1976.51,4248.38 1976.94,4248.38 2000.82,4272.26 2000.82,4327.72 R47_b2.1@2042.82,4369.72 R45_b2.1@2114.82,4369.72
  Bottom Layer w12: v1(1799.82,3731.26) 1799.82,4071.26 1856.82,4128.26 v1(1896.82,4128.26)
G1_VC2_BUF_b3: R45_b3.1 R47_b3.1 U1_b3.6 U1_b3.7 | length 1025.4
  Top Layer w12: U1_b3.6@1785.82,2731.77 1785.82,2667.26 v1(1799.82,2653.26) 1821.82,2653.26 1835.82,2667.26 U1_b3.7@1835.82,2731.77 ; v1(1896.82,3050.26) 1928.82,3082.26 1928.82,3122.69 1976.51,3170.38 1976.94,3170.38 2000.82,3194.26 2000.82,3249.72 R47_b3.1@2042.82,3291.72 R45_b3.1@2114.82,3291.72
  Bottom Layer w12: v1(1799.82,2653.26) 1799.82,2993.26 1856.82,3050.26 v1(1896.82,3050.26)
G1_VC2_BUF_b4: R45_b4.1 R47_b4.1 U1_b4.6 U1_b4.7 | length 1025.4
  Top Layer w12: U1_b4.6@1785.82,1653.77 1785.82,1589.26 v1(1799.82,1575.26) 1821.82,1575.26 1835.82,1589.26 U1_b4.7@1835.82,1653.77 ; v1(1896.82,1972.26) 1928.82,2004.26 1928.82,2044.69 1976.51,2092.38 1976.94,2092.38 2000.82,2116.26 2000.82,2171.72 R47_b4.1@2042.82,2213.72 R45_b4.1@2114.82,2213.72
  Bottom Layer w12: v1(1799.82,1575.26) 1799.82,1915.26 1856.82,1972.26 v1(1896.82,1972.26)
G1_VC2_BUF_b5: R45_b5.1 R47_b5.1 U1_b5.6 U1_b5.7 | length 1025.4
  Top Layer w12: U1_b5.6@1785.82,575.77 1785.82,511.26 v1(1799.82,497.26) 1821.82,497.26 1835.82,511.26 U1_b5.7@1835.82,575.77 ; v1(1896.82,894.26) 1928.82,926.26 1928.82,966.69 1976.51,1014.38 1976.94,1014.38 2000.82,1038.26 2000.82,1093.72 R47_b5.1@2042.82,1135.72 R45_b5.1@2114.82,1135.72
  Bottom Layer w12: v1(1799.82,497.26) 1799.82,837.26 1856.82,894.26 v1(1896.82,894.26)
G1_VC2_BUF_b6: R45_b6.1 R47_b6.1 U1_b6.6 U1_b6.7 | length 1025.4
  Top Layer w12: U1_b6.6@6755.08,3810.09 6755.08,3745.58 v1(6769.08,3731.58) 6791.08,3731.58 6805.08,3745.58 U1_b6.7@6805.08,3810.09 ; v1(6866.08,4128.58) 6898.08,4160.58 6898.08,4201.01 6945.76,4248.7 6946.19,4248.7 6970.08,4272.58 6970.08,4328.05 R47_b6.1@7012.08,4370.05 R45_b6.1@7084.08,4370.05
  Bottom Layer w12: v1(6769.08,3731.58) 6769.08,4071.58 6826.08,4128.58 v1(6866.08,4128.58)
G1_VC2_BUF_b7: R45_b7.1 R47_b7.1 U1_b7.6 U1_b7.7 | length 1025.4
  Top Layer w12: U1_b7.6@6755.08,2732.09 6755.08,2667.58 v1(6769.08,2653.58) 6791.08,2653.58 6805.08,2667.58 U1_b7.7@6805.08,2732.09 ; v1(6866.08,3050.58) 6898.08,3082.58 6898.08,3123.01 6945.76,3170.7 6946.19,3170.7 6970.08,3194.58 6970.08,3250.05 R47_b7.1@7012.08,3292.05 R45_b7.1@7084.08,3292.05
  Bottom Layer w12: v1(6769.08,2653.58) 6769.08,2993.58 6826.08,3050.58 v1(6866.08,3050.58)
G1_VC2_BUF_b8: R45_b8.1 R47_b8.1 U1_b8.6 U1_b8.7 | length 1025.4
  Top Layer w12: U1_b8.6@6755.08,1653.09 6755.08,1588.58 v1(6769.08,1574.58) 6791.08,1574.58 6805.08,1588.58 U1_b8.7@6805.08,1653.09 ; v1(6866.08,1971.58) 6898.08,2003.58 6898.08,2044.01 6945.76,2091.7 6946.19,2091.7 6970.08,2115.58 6970.08,2171.05 R47_b8.1@7012.08,2213.05 R45_b8.1@7084.08,2213.05
  Bottom Layer w12: v1(6769.08,1574.58) 6769.08,1914.58 6826.08,1971.58 v1(6866.08,1971.58)